# Altium PCB FPGA_Module.PcbDoc (part 5 of 5) (continued)
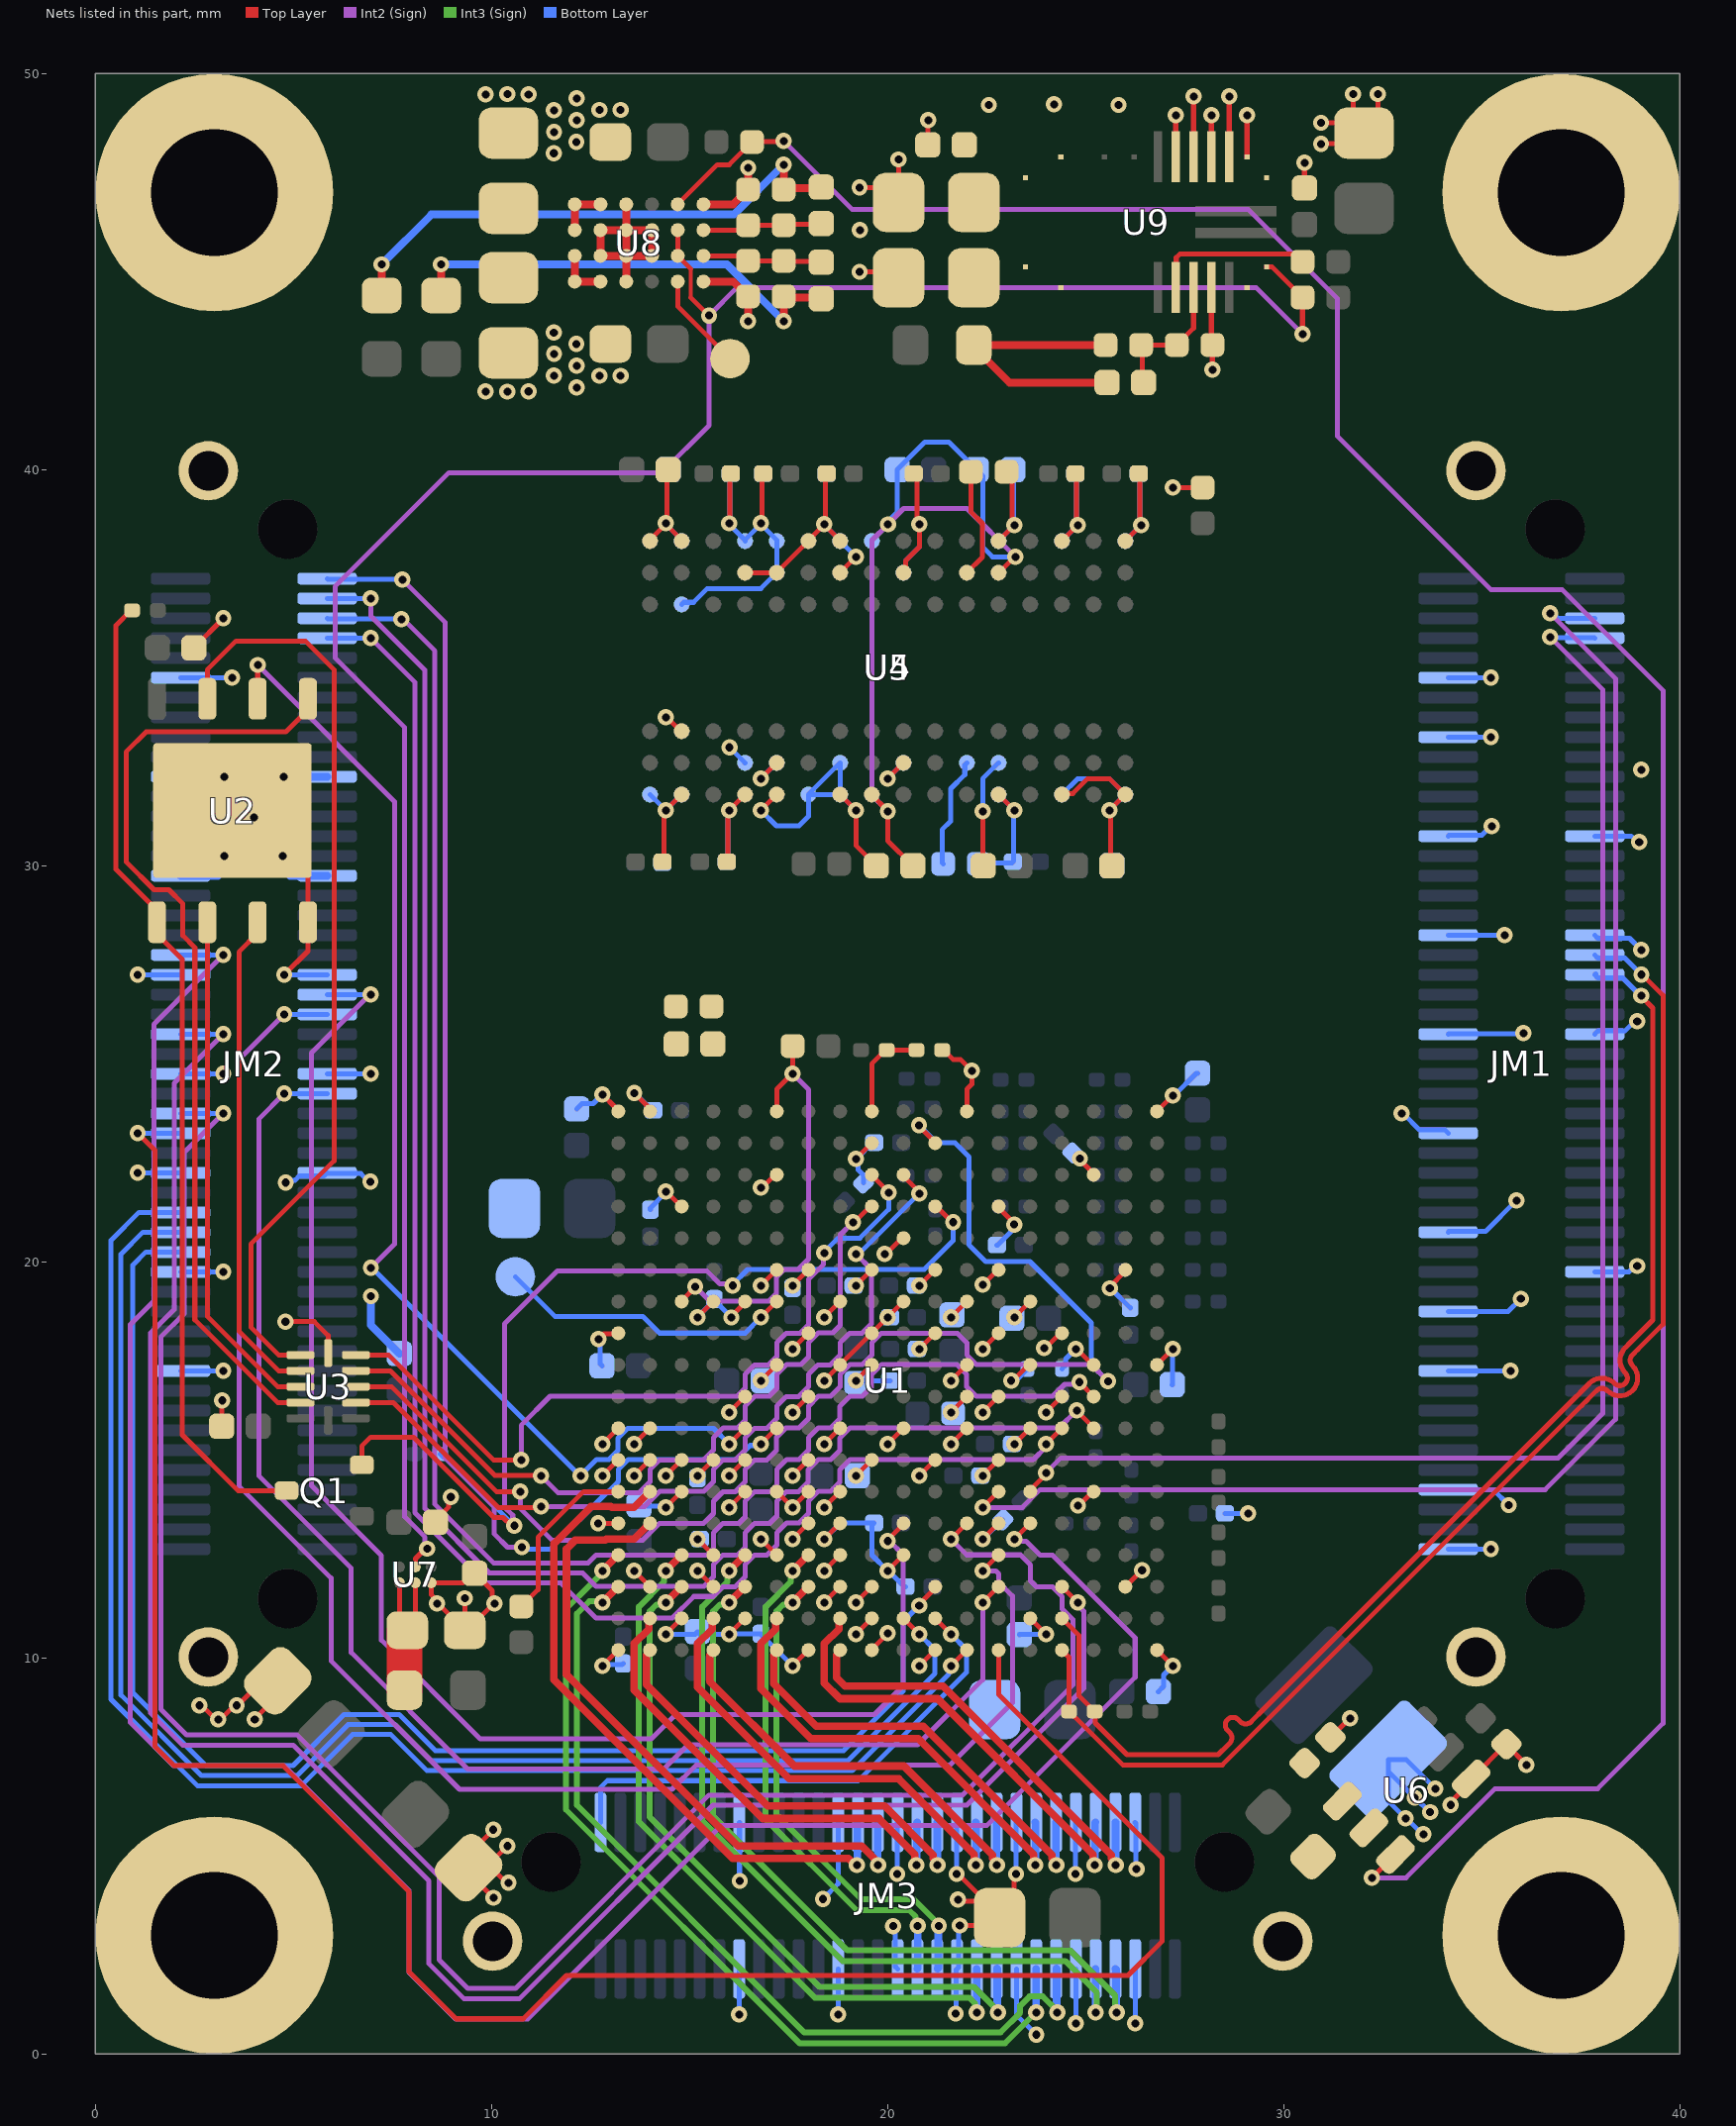
[diagram p9: the nets of this part, all layers, seen from the top]
## Nets (pads, with @x,y where several pads share a name; then routed paths per layer and width w, separated by ;. In a path a pad name is that pad's centre, name@x,y a point inside that pad or via, vN(x,y) a via of type N, cw(c..) or ccw(c..) an arc to the next point about the centre after c; other vN are vias at no path point) (continued)
MGT_RX2_N: JM3.20 U1.C3 | length 18.2
  Top Layer w0.191: v1(14.4,11.4) U1.C3@14.8,11.8
  Int3 (Sign) w0.148: v1(14.4,11.4) 14.351,11.351 14.168,11.351 13.996,11.179 13.996,5.979 18.275,1.7 22.172,1.7 22.783,1.088 v1(22.783,1.05)
  Bottom Layer w0.191: JM3.20@22.758,2.158 22.767,2.15 22.767,1.067 v1(22.783,1.05)
MGT_RX2_P: JM3.22 U1.C4 | length 18.9
  Top Layer w0.191: v1(14.4,12.2) U1.C4@14.8,12.6
  Int3 (Sign) w0.148: v1(14.4,12.2) 14.351,12.151 14.351,11.922 13.721,11.292 13.721,5.865 18.161,1.425 22.058,1.425 22.201,1.282 22.201,1.099 v1(22.25,1.05)
  Bottom Layer w0.191: v1(22.25,1.05) JM3.22@22.25,2.15
MGT_RX3_N: JM3.26 U1.G3 | length 12.6
  Top Layer w0.191: v1(17.6,11.4) U1.G3@18,11.8
  Int3 (Sign) w0.148: v1(17.6,11.4) 17.551,11.351 17.368,11.351 17.196,11.179 17.196,6.043 19.33,3.909 20.658,3.909 21.308,3.258 v1@21.308,3.25
  Bottom Layer w0.191: JM3.26@21.258,2.158 21.279,2.179 21.279,3.221 v1@21.308,3.25
  other v1: 21.291,3.237
MGT_RX3_P: JM3.28 U1.G4 | length 13.3
  Top Layer w0.191: v1(17.6,12.2) U1.G4@18,12.6
  Int3 (Sign) w0.148: v1(17.6,12.2) 17.551,12.151 17.551,11.922 16.921,11.292 16.921,5.929 19.216,3.634 20.544,3.634 20.708,3.469 20.708,3.317 v1@20.775,3.25
  Bottom Layer w0.191: JM3.28@20.75,2.15 20.763,2.162 20.763,3.238 v1@20.775,3.25
  other v1: 20.758,3.237
MGT_TX0_N: JM3.7 U1.H1 | length 10.9
  Top Layer w0.191: U1.H1@18.8,10.2 18.8,10.157 18.715,10.072 18.715,9.5 18.927,9.288 21.393,9.288 25.651,5.03 25.651,4.936 25.758,4.828 v1(25.758,4.77)
  Bottom Layer w0.191: JM3.7@25.75,5.85 25.754,5.846 25.754,4.774 v1(25.758,4.77)
MGT_TX0_P: JM3.9 U1.H2 | length 11.8
  Top Layer w0.191: U1.H2@18.8,11 18.77,10.97 18.77,10.732 18.397,10.359 18.397,9.368 18.795,8.97 21.261,8.97 25.188,5.043 25.188,4.807 v1(25.225,4.77)
  Bottom Layer w0.191: v1(25.225,4.77) 25.237,4.782 25.237,5.837 JM3.9@25.25,5.85
MGT_TX1_N: JM3.13 U1.F1 | length 11.1
  Top Layer w0.191: U1.F1@17.2,10.2 17.2,10.157 17.12,10.077 17.12,9.354 18.195,8.279 20.901,8.279 24.151,5.03 24.151,4.936 24.258,4.828 v1(24.258,4.77)
  Bottom Layer w0.191: v1@24.25,4.778 JM3.13@24.25,5.85
MGT_TX1_P: JM3.15 U1.F2 | length 11.9
  Top Layer w0.191: U1.F2@17.2,11 17.17,10.97 17.17,10.732 16.803,10.365 16.803,9.222 18.063,7.962 18.195,7.962 20.77,7.962 23.688,5.043 23.688,4.807 v1(23.725,4.77)
  Bottom Layer w0.191: v1(23.725,4.77) 23.738,4.782 23.738,5.838 JM3.15@23.725,5.85
MGT_TX2_N: JM3.19 U1.D1 | length 11.2
  Top Layer w0.191: U1.D1@15.6,10.2 15.6,10.157 15.515,10.072 15.515,9.4 17.644,7.271 20.41,7.271 22.651,5.03 22.651,4.936 22.758,4.828 v1(22.758,4.77)
  Bottom Layer w0.191: v1@22.75,4.778 JM3.19@22.75,5.85
MGT_TX2_P: JM3.21 U1.D2 | length 12
  Top Layer w0.191: U1.D2@15.6,11 15.57,10.97 15.57,10.732 15.197,10.359 15.197,9.268 17.513,6.953 19.35,6.953 20.278,6.953 22.188,5.043 22.188,4.807 v1(22.225,4.77)
  Bottom Layer w0.191: v1(22.225,4.77) 22.237,4.782 22.237,5.837 JM3.21@22.225,5.85
MGT_TX3_N: JM3.25 U1.B1 | length 11.3
  Top Layer w0.191: U1.B1@14,10.2 14,10.157 13.915,10.072 13.915,9.325 16.978,6.262 19.918,6.262 21.151,5.03 21.151,4.936 21.258,4.828 v1(21.258,4.77)
  Bottom Layer w0.191: v1@21.25,4.778 21.254,4.782 21.254,5.846 JM3.25@21.25,5.85
MGT_TX3_P: JM3.27 U1.B2 | length 12.2
  Top Layer w0.191: U1.B2@14,11 13.97,10.97 13.97,10.732 13.597,10.359 13.597,9.193 16.846,5.945 18.275,5.945 19.787,5.945 20.688,5.043 20.688,4.807 v1(20.725,4.77)
  Bottom Layer w0.191: v1(20.725,4.77) 20.738,4.782 20.738,5.837 JM3.27@20.75,5.85
NetC64_2: C64.2 FB1.1 U1.J10 | length 1.4
  Top Layer w0.127: v1(19.2,17) U1.J10@19.562,17.362
  Bottom Layer w0.127: FB1.1@19.2,16.95 FB1.1@19.225,16.975 ; v1(19.2,17) C64.2@20.06,17
NetC73_1: C73.1 R46.1 R47.2 U9.17 | length 3.5
  Top Layer w0.127: R46.1@26.398,43.15 26.604,43.15 R47.2@27.298,43.15 27.723,43.575 U9.17@27.723,44.6 ; C73.1@26.46,42.2 26.429,42.231 26.429,42.944 R46.1@26.604,43.119
NetC73_2: C73.2 C74.2 C75.2 C76.2 R46.2 R53.1 U9.9 U9.10 U9.11 U9.12 | length 7.1
  Top Layer w0.2: R46.2@25.498,43.15 R53.1@22.173,43.15 22.173,43.1 23.073,42.2 C73.2@25.54,42.2
NetC78_2: C78.2 R54.1 U6.1 U6.2
NetC81_1: C81.1 R49.1 R50.2 U8.A3 | length 3
  Top Layer w0.127: U8.A3@15.35,45.4 16.35,45.4 R50.2@16.475,45.275 R49.1@17.375,45.275 17.395,45.255 18.305,45.255 C81.1@18.325,45.235
NetC81_2: C81.2 C82.2 R49.2 R55.1 U8.E4 U8.F3 U8.F4 | length 12.9
  Top Layer w0.2: R55.1@8.725,44.4 v1(8.725,45.18) ; U8.F3@12.1,45.4 U8.F4@12.1,44.75 U8.E4@12.75,44.75 ; v1(17.375,43.75) R49.2@17.375,44.375 17.405,44.345 18.295,44.345 C81.2@18.325,44.315
  Bottom Layer w0.2: v1(8.725,45.18) 15.945,45.18 v1(17.375,43.75)
NetC83_2: C83.2 R56.1 U7.A1 U7.B1 | length 4.1
  Top Layer w0.127: U7.A1@7.675,11.9 7.675,10.805 7.805,10.675 7.83,10.7 8.075,10.945 U7.B1@8.075,11.9
  Top Layer w0.9: R56.1@7.805,9.189 C83.2@7.805,10.675 ; C83.2@7.83,10.7 C83.2@7.875,10.7
NetC86_1: C86.1 R51.1 R52.2 U8.A2 | length 3
  Top Layer w0.127: U8.A2@15.35,46.05 16.35,46.05 R52.2@16.475,46.175 R51.1@17.375,46.175 17.395,46.195 18.305,46.195 C86.1@18.325,46.215
NetC86_2: C86.2 C87.2 R51.2 R57.1 U8.E1 U8.F1 U8.F2 | length 14.9
  Top Layer w0.2: R57.1@7.225,44.4 v1(7.225,45.18) ; U8.F2@12.1,46.05 U8.F1@12.1,46.7 U8.E1@12.75,46.7 ; v1(17.375,47.7) R51.2@17.375,47.075 17.405,47.105 18.295,47.105 C86.2@18.325,47.135
  Bottom Layer w0.2: v1(7.225,45.18) 8.485,46.44 16.115,46.44 v1(17.375,47.7)
NetR11_2: R11.2 U1.A6 | length 4.4
  Top Layer w0.127: R11.2@10.75,11.3 11.175,11.725 11.175,13.05 12.325,14.2 U1.A6@13.2,14.2
NetR14_1: R14.1 U1.T10 | length 1.3
  Top Layer w0.127: v1(24.75,17.8) 24.775,17.8 25.175,17.4 U1.T10@25.2,17.4
  Bottom Layer w0.127: R14.1@24.4,17.3 24.493,17.393 24.493,17.543 v1(24.75,17.8)
NetR15_1: R15.1 U1.P10 | length 1.1
  Top Layer w0.127: v1(23.12,17.002) 23.161,17.002 23.521,17.362 U1.P10@23.562,17.362
  Bottom Layer w0.127: v1(23.12,17.002) 23.174,17.056 23.293,17.056 23.525,17.288 R15.1@23.525,17.3
NetR17_1: R17.1 U4.L8 | length 2.8
  Top Layer w0.127: U4.L8@22,37.4 22.39,37.79 22.39,38.647 22.1,38.937 R17.1@22.1,39.95
NetR18_1: R18.1 U5.L8 | length 2.8
  Bottom Layer w0.127: R18.1@21.4,30.05 21.375,30.075 21.375,30.912 21.591,31.128 21.591,31.943 21.948,32.3 21.948,32.548 U5.L8@22,32.6
NetR44_2: R44.2 U9.16 | length 4.1
  Top Layer w0.127: U9.16@27.273,44.6 27.286,44.612 27.286,45.352 27.376,45.443 30.234,45.443 30.427,45.25 R44.2@30.473,45.25
NetTP1_1: TP1.1 U1.F12 | length 7.5
  Top Layer w0.127: v1(16.8,18.6) U1.F12@17.162,18.962
  Bottom Layer w0.127: TP1.1@10.6,19.625 11.6,18.625 13.818,18.625 14.241,18.202 16.402,18.202 v1(16.8,18.6)
NetTP2_1: TP2.1 U8.B4 | length 2.5
  Top Layer w0.127: U8.B4@14.7,44.75 14.7,44.125 TP2.1@16.02,42.805
OSC_OE: JM2.47 U1.N3 | length 37
  Top Layer w0.127: v1(22.4,11.4) U1.N3@22.762,11.762
  Int2 (Sign) w0.127: v1(4.77,24.25) 4.133,23.613 4.133,14.592 6.458,12.267 6.458,10.137 9.404,7.191 14.345,7.191 14.961,7.807 20.757,7.807 22.4,9.45 v1(22.4,11.4)
  Bottom Layer w0.127: v1(4.77,24.25) JM2.47@5.85,24.25
PERST#: JM3.59 U1.L2 | length 13
  Top Layer w0.127: U1.L2@21.238,10.962 v1(21.6,10.6)
  Bottom Layer w0.127: JM3.59@12.75,5.85 12.75,6.725 12.926,6.901 13.949,6.901 19.258,6.901 21.994,9.637 21.994,10.206 v1(21.6,10.6)
PG_1V0: R45.1 U7.B2 U8.B2 U8.B3 U9.20 U9.21 | length 60.2
  Top Layer w0.1: 15.025,44.35 15.025,45.075
  Top Layer w0.127: U7.B2@8.075,12.3 8.078,12.303 8.078,12.51 8.328,12.759 v1(8.376,12.759) ; U8.B2@14.7,46.05 U8.B3@14.7,45.4 15.025,45.075 ; 15.025,44.35 15.484,43.891 v1(15.491,43.891) ; U9.21@29.569,45.125 29.698,45.125 R45.1@30.473,44.35 ; v1(30.475,43.425) R45.1@30.473,44.35
  Int2 (Sign) w0.127: v1(8.376,12.759) 8.322,12.813 8.322,13.05 7.809,13.563 7.809,33.491 6.05,35.25 6.05,37.05 8.925,39.925 14.3,39.925 15.491,41.116 v1(15.491,43.891) 16.2,44.6 29.3,44.6 v1(30.475,43.425)
PG_1V8_1V35: R48.1 U6.3 U8.B1 | length 69.2
  Top Layer w0.127: U8.B1@14.7,46.7 15.7,47.7 16,47.7 R48.1@16.575,48.275 16.588,48.288 17.363,48.288 v1(17.375,48.3) ; v1(32.225,4.45) 32.229,4.45 32.817,5.038 U6.3@32.82,5.038
  Int2 (Sign) w0.127: v1(17.375,48.3) 19.1,46.575 29.1,46.575 31.35,44.325 31.35,40.85 35.225,36.975 37.025,36.975 39.575,34.425 39.575,8.35 37.925,6.7 35.335,6.7 33.085,4.45 v1(32.225,4.45)
PGA_CSn_1: JM2.36 U1.M1 | length 38.4
  Top Layer w0.127: v1(21.6,9.8) U1.M1@21.962,10.162
  Bottom Layer w0.127: JM2.36@2.15,21.25 1.1,21.25 0.392,20.542 0.392,8.958 2.575,6.775 5.2,6.775 6.492,8.067 7.458,8.067 8.37,7.155 19.104,7.155 21.547,9.597 21.547,9.747 v1(21.6,9.8)
PGA_CSn_2: JM2.46 U1.M5 | length 53.6
  Top Layer w0.127: v1(21.6,13) U1.M5@21.962,13.362
  Int2 (Sign) w0.127: v1(3.23,23.75) 2.242,22.762 2.242,18.692 1.65,18.1 1.65,8.709 2.305,8.054 5.096,8.054 8.675,4.475 8.675,2.384 9.405,1.654 10.604,1.654 15.487,6.537 21.895,6.537 24.675,9.317 24.675,10.968 24.406,11.237 24.406,11.55 24.163,11.794 23.837,11.794 23.756,11.794 23.606,11.943 23.606,12.351 23.355,12.602 21.998,12.602 v1(21.6,13)
  Bottom Layer w0.127: JM2.46@2.15,23.75 v1(3.23,23.75)
PGA_CSn_3: JM2.54 U1.R3 | length 52.7
  Top Layer w0.127: U1.R3@24.438,11.762 v1(24.8,11.4)
  Int2 (Sign) w0.127: v1(3.23,25.75) 1.988,24.508 1.988,18.797 1.396,18.205 1.396,8.604 2.2,7.8 4.991,7.8 8.421,4.37 8.421,2.279 9.3,1.4 10.709,1.4 15.592,6.283 22,6.283 24.95,9.233 24.95,11.186 24.8,11.336 v1(24.8,11.4)
  Bottom Layer w0.127: JM2.54@2.15,25.75 v1(3.23,25.75)
PGA_CSn_4: JM2.62 U1.P5 | length 60.3
  Top Layer w0.127: v1(23.2,13) U1.P5@23.562,13.362
  Int2 (Sign) w0.127: v1(3.23,27.75) 1.475,25.995 1.475,19.01 0.883,18.418 0.883,8.367 1.962,7.288 4.762,7.288 7.913,4.137 7.913,2.062 9.087,0.888 10.915,0.888 15.803,5.775 22.509,5.775 26.248,9.513 26.248,10.509 25.454,11.303 24.163,12.594 23.849,12.594 23.497,12.947 23.253,12.947 v1(23.2,13)
  Bottom Layer w0.127: JM2.62@2.15,27.75 v1(3.23,27.75)
PGA_SCLK: JM2.34 U1.K2 | length 37.8
  Top Layer w0.127: U1.K2@20.438,10.962 v1(20.8,10.6)
  Bottom Layer w0.127: JM2.34@2.15,20.75 1.2,20.75 0.646,20.196 0.646,9.063 2.68,7.029 5.095,7.029 6.387,8.321 7.563,8.321 8.475,7.409 18.999,7.409 21.194,9.603 21.194,10.206 v1(20.8,10.6)
PGA_SDIO: JM2.32 U1.L3 | length 36.8
  Top Layer w0.127: v1(20.799,11.319) 20.799,11.359 21.162,11.722 U1.L3@21.162,11.762
  Bottom Layer w0.127: JM2.32@2.15,20.25 1.275,20.25 0.946,19.921 0.946,9.122 2.785,7.283 4.99,7.283 6.281,8.575 7.669,8.575 8.58,7.663 18.894,7.663 20.394,9.163 20.394,10.918 20.794,11.319 v1(20.799,11.319)
PROBE_COMP: JM2.44 U1.N1 | length 56.1
  Top Layer w0.127: v1(1.07,23.25) 1.5,22.82 1.5,7.768 1.99,7.278 4.738,7.278 7.921,4.095 7.921,2.072 9.105,0.888 10.798,0.888 11.892,1.983 26.065,1.983 26.933,2.852 26.933,4.948 22.8,9.082 U1.N1@22.8,10.2
  Bottom Layer w0.127: v1(1.07,23.25) JM2.44@2.15,23.25
PUDC: R58.1 R59.2 U1.J18 | length 2.5
  Top Layer w0.127: U1.J18@19.6,23.8 19.6,25 19.95,25.35 R58.1@19.975,25.35 R59.2@20.725,25.35
SCL: JM2.57 U1.K5 | length 37.9
  Top Layer w0.127: v1(20.001,12.953) 20.001,12.977 20.362,13.339 U1.K5@20.362,13.362
  Int2 (Sign) w0.127: v1(6.95,26.75) 6.93,26.75 5.454,25.274 5.454,14.349 7.22,12.583 7.22,10.452 9.719,7.953 14.029,7.953 14.645,8.569 19.669,8.569 20.394,9.294 20.394,12.606 20.047,12.953 v1(20.001,12.953)
  Bottom Layer w0.127: JM2.57@5.85,26.75 v1(6.95,26.75)
SDA: JM2.55 U1.N4 | length 42.6
  Top Layer w0.127: v1(22.4,12.2) U1.N4@22.762,12.562
  Int2 (Sign) w0.127: v1(4.77,26.25) 3.625,25.105 3.625,14.341 5.95,12.016 5.95,9.926 9.193,6.683 14.555,6.683 15.171,7.299 21.579,7.299 23.15,8.87 23.15,11.566 22.806,11.91 22.806,12.126 22.732,12.2 v1(22.4,12.2)
  Bottom Layer w0.127: v1(4.77,26.25) JM2.55@5.85,26.25
SPI_CLK: U1.E8 U2.6 | length 30.3
  Top Layer w0.127: U2.6@4.095,34.215 4.097,34.218 4.097,35.068 v1(4.1,35.07) ; v1(16,15.4) U1.E8@16.362,15.762
  Int2 (Sign) w0.127: v1(4.1,35.07) 7.555,31.615 7.555,20.449 v1(6.956,19.85)
  Bottom Layer w0.127: v1(6.956,19.85) 6.978,19.85 12.228,14.6 v1(12.25,14.6) ; v1@12.25,14.607 12.65,15.006 12.963,15.006 13.194,15.237 13.194,15.551 13.437,15.794 15.606,15.794 v1(16,15.4)
SPI_CS: Q1.1 R13.1 U2.1 | length 24.9
  Top Layer w0.127: R13.1@0.925,36.45 0.9,36.45 0.521,36.071 0.521,29.909 1.555,28.875 1.555,28.275 2.189,27.641 2.189,15.636 3.6,14.225 Q1.1@4.825,14.225
SPI_CS_1V35: Q1.3 R12.1 U1.L15 | length 26.8
  Top Layer w0.127: Q1.3@6.725,14.875 6.725,15.35 6.95,15.575 8.032,15.575 10.061,13.546 10.294,13.546 10.499,13.341 v1(10.575,13.341) ; U1.L15@21.2,21.4 21.229,21.4 21.628,21.001 v1(21.657,21.001)
  Int2 (Sign) w0.127: v1(10.575,13.341) 10.536,13.38 10.536,13.605 10.331,13.809 10.331,18.438 11.667,19.774 15.435,19.774 15.764,19.446 16.021,19.446 v1@16.074,19.392
  Bottom Layer w0.127: R12.1@8.7,15.15 8.784,15.066 8.85,15.066 v1(10.575,13.341) ; v1@16.074,19.392 16.074,19.411 16.469,19.806 20.924,19.806 21.657,20.539 v1(21.657,21.001)
  other v1: 16.088,19.401
SPI_DQ0: U2.5 U3.10 | length 24.1
  Top Layer w0.127: U3.10@5.175,16.45 4.6,16.45 2.511,18.539 2.511,27.936 2.209,28.237 2.209,29.041 1.854,29.396 1.479,29.396 0.775,30.1 0.775,32.875 1.278,33.378 4.802,33.378 5.365,33.942 U2.5@5.365,34.215
SPI_DQ0_1V35: U1.K16 U3.2 | length 21.8
  Top Layer w0.127: U3.2@6.575,16.45 7.516,16.45 10.166,13.8 11.225,13.8 v1(11.25,13.825) ; U1.K16@20.4,22.2 20.4,22.163 20.8,21.763 v1(20.8,21.725)
  Int2 (Sign) w0.127: v1(11.25,13.825) 13.868,13.825 14.25,14.206 15.363,14.206 15.606,14.45 15.606,14.763 15.837,14.994 16.15,14.994 16.406,15.25 16.406,15.563 16.637,15.794 16.95,15.794 17.206,16.05 17.206,16.363 17.437,16.594 17.75,16.594 18.006,16.85 18.006,17.163 18.237,17.394 18.55,17.394 18.806,17.65 18.806,17.963 19.037,18.194 19.35,18.194 19.594,18.437 19.594,19.806 v1(19.2,20.2)
  Bottom Layer w0.127: v1(19.2,20.2) 19.275,20.2 v1(20.8,21.725)
SPI_DQ1: U2.2 U3.9 | length 13
  Top Layer w0.127: U2.2@2.825,28.575 2.825,18.625 4.6,16.85 U3.9@5.175,16.85
SPI_DQ1_1V35: U1.L17 U3.3 | length 34.8
  Top Layer w0.127: U3.3@6.575,16.85 7.475,16.85 10.125,14.2 v1(10.725,14.2) ; v1(20.794,23.449) 20.794,23.428 21.2,23.021 U1.L17@21.2,23
  Int2 (Sign) w0.127: v1(10.725,14.2) 10.725,13.775 11.525,12.975 13.818,12.975 14.237,13.394 15.35,13.394 15.602,13.645 15.602,13.958 15.84,14.197 16.154,14.197 16.4,14.443 16.4,14.757 16.637,14.994 16.95,14.994 17.194,15.237 17.194,15.569 17.431,15.806 17.763,15.806 18.002,16.045 18.002,16.358 18.25,16.606 18.563,16.606 18.8,16.843 18.8,17.157 19.049,17.406 19.363,17.406 19.6,17.643 19.6,17.957 19.837,18.194 21.763,18.194 22,17.957 22,17.643 22.237,17.406 25.144,17.406 v1(25.563,16.987)
  Bottom Layer w0.127: v1(20.794,23.449) 21.237,23.006 21.7,23.006 22.056,22.65 22.056,20.429 22.474,20.011 23.589,20.011 25.144,18.456 25.144,17.406 v1(25.563,16.987)
SPI_DQ2: U2.3 U3.8 | length 12.5
  Top Layer w0.127: U2.3@4.095,28.575 4.095,28.295 3.625,27.825 3.625,18.25 4.625,17.25 U3.8@5.175,17.25
SPI_DQ2_1V35: U1.J15 U3.4 | length 19.6
  Top Layer w0.127: U3.4@6.575,17.25 7.441,17.25 10.084,14.606 11.244,14.606 v1(11.25,14.6) ; v1(19.125,21) 19.163,21 19.525,21.362 U1.J15@19.562,21.362
  Int2 (Sign) w0.127: v1(11.25,14.6) 11.675,14.175 13.732,14.175 14,14.443 14,14.757 14.237,14.994 15.35,14.994 15.6,15.243 15.6,15.557 15.85,15.806 16.216,15.806 16.406,15.997 16.406,16.363 16.65,16.606 17.011,16.606 17.206,16.801 17.206,17.163 17.45,17.406 17.811,17.406 18.006,17.601 18.006,17.963 18.25,18.206 18.616,18.206 18.806,18.397 18.806,20.681 v1(19.125,21)
SPI_DQ3: U2.7 U3.7 | length 23.5
  Top Layer w0.127: U2.7@2.825,34.215 2.825,34.95 3.55,35.675 5.3,35.675 6.025,34.95 6.025,22.55 3.925,20.45 3.925,18.35 4.625,17.65 U3.7@5.175,17.65
SPI_DQ3_1V35: U1.J16 U3.5 | length 20
  Top Layer w0.127: U3.5@6.575,17.65 7.4,17.65 10.05,15 v1(10.75,15) ; U1.J16@19.6,22.2 19.6,22.187 20.025,21.763 v1(20.025,21.75)
  Int2 (Sign) w0.127: v1(10.75,15) 10.75,15.875 11.481,16.606 16.206,16.606 16.406,16.806 16.406,17.163 16.637,17.394 16.994,17.394 17.206,17.606 17.206,17.963 17.437,18.194 17.794,18.194 18.006,18.406 18.006,19.563 18.383,19.94 18.383,20.208 v1(18.4,20.225)
  Bottom Layer w0.127: v1(18.4,20.225) 18.4,20.25 18.75,20.6 19.3,20.6 20.025,21.325 v1(20.025,21.75)
TCK: JM2.99 U1.F8 | length 35.6
  Top Layer w0.127: v1(16.8,15.4) U1.F8@17.162,15.762
  Int2 (Sign) w0.127: v1(7.75,37.225) 8.825,36.15 8.825,15.05 10.071,13.804 10.071,13.129 10.402,12.798 v1(10.766,12.798)
  Bottom Layer w0.127: JM2.99@5.85,37.25 5.863,37.238 7.737,37.238 v1(7.75,37.225) ; v1(10.766,12.798) 10.814,12.75 11.488,12.75 12.944,14.206 12.963,14.206 13.194,14.437 13.194,14.456 13.206,14.468 13.206,14.763 13.45,15.006 16.174,15.006 16.533,15.365 16.765,15.365 v1(16.8,15.4)
TDI: JM2.95 U1.T9 | length 46
  Top Layer w0.127: v1(24.84,16.964) 24.84,16.962 U1.T9@25.2,16.6 U1.T9@25.2,16.6
  Int2 (Sign) w0.127: v1(7.725,36.225) 7.77,36.225 8.571,35.424 8.571,13.879 10.05,12.4 12.443,12.4 12.637,12.594 15.444,12.594 15.606,12.756 15.606,13.163 15.837,13.394 16.244,13.394 16.406,13.556 16.406,13.963 16.637,14.194 17.044,14.194 17.206,14.356 17.206,14.763 17.45,15.006 17.763,15.006 18,15.243 18,15.557 18.25,15.806 18.563,15.806 18.794,16.037 18.794,16.351 19.05,16.606 19.363,16.606 19.594,16.837 19.594,17.151 19.85,17.406 21.75,17.406 21.994,17.163 21.994,16.85 22.237,16.606 24.163,16.606 24.467,16.911 24.786,16.911 v1(24.84,16.964)
  Bottom Layer w0.127: JM2.95@5.85,36.25 5.863,36.238 7.712,36.238 v1(7.725,36.225)
TDO: JM2.97 U1.T8 | length 45.4
  Top Layer w0.127: v1(24.775,16.25) 24.775,16.238 25.2,15.813 U1.T8@25.2,15.8
  Int2 (Sign) w0.127: v1(6.95,36.75) 6.95,36.307 7.113,36.144 8.317,34.94 8.317,13.774 9.945,12.146 12.297,12.146 12.637,11.806 15.363,11.806 15.606,12.05 15.606,12.363 15.837,12.594 16.219,12.594 16.406,12.781 16.406,13.163 16.637,13.394 17.019,13.394 17.206,13.581 17.206,13.963 17.443,14.2 17.757,14.2 17.994,14.437 17.994,14.751 18.25,15.006 18.563,15.006 18.794,15.237 18.794,15.551 19.05,15.806 24.331,15.806 v1(24.775,16.25)
  Bottom Layer w0.127: JM2.97@5.85,36.75 v1(6.95,36.75)
TMS: JM2.93 U1.R8 | length 43.8
  Top Layer w0.127: v1(24,15.4) U1.R8@24.362,15.762
  Int2 (Sign) w0.127: v1(6.95,35.75) 8.063,34.637 8.063,13.669 9.84,11.892 11.751,11.892 12.637,11.006 14.563,11.006 15.109,11.552 15.596,11.552 15.837,11.794 16.15,11.794 16.406,12.05 16.406,12.363 16.637,12.594 16.95,12.594 17.2,12.843 17.2,13.157 17.45,13.406 17.763,13.406 18,13.643 18,13.957 18.25,14.206 18.563,14.206 18.794,14.437 18.794,14.751 19.05,15.006 21.366,15.006 23.682,15.006 24,15.324 v1(24,15.4)
  Bottom Layer w0.127: JM2.93@5.85,35.75 v1(6.95,35.75)
VTTREF: C4.2 C5.1 C16.2 C17.1 C28.2 R27.1 R35.2 U1.C12 U1.F18 U4.H1 U4.M8 U5.H1 U5.M8 | length 35.5
  Top Layer w0.127: U1.C12@14.838,19.038 14.838,19.054 15.142,19.358 v1(15.142,19.375) ; U1.F18@17.2,23.8 17.2,24.357 17.593,24.75 v1(17.6,24.75) R27.1@17.6,25.45 ; U4.H1@19.6,31.8 19.6,31.791 20.006,31.384 v1(20.006,31.375) 20.006,30.629 C16.2@20.635,30 ; v1(22.4,31.375) 22.408,31.367 22.408,30.008 C17.1@22.415,30 ; U4.M8@22.8,37.4 22.813,37.4 23.213,37.8 v1(23.225,37.8)
  Int2 (Sign) w0.127: v1(15.142,19.375) 15.51,19.006 17.001,19.006 17.194,19.199 17.194,19.619 17.384,19.809 17.741,19.809 18.003,20.071 18.003,24.347 17.994,24.356 17.994,24.363 17.607,24.75 v1(17.6,24.75) ; v1(20.006,31.375) 19.606,31.775 19.606,35.187 19.606,38.219 v1(20.008,38.621) 20.406,39.019 22.006,39.019 v1(23.225,37.8)
  Bottom Layer w0.127: U5.H1@19.6,38.2 19.6,38.207 20.008,38.615 v1(20.008,38.621) 20.008,38.697 20.24,38.929 C5.1@20.24,40 20.94,40.7 21.54,40.7 22.409,39.83 22.409,38.038 22.648,37.8 v1(23.225,37.8) ; v1(22.4,31.375) 22.4,32.2 U5.M8@22.8,32.6
pads on no net: JM1. JM1.4 JM1.6 JM1.7 JM1.9 JM1.10 JM1.11 JM1.12 JM1.14 JM1.16 JM1.17 JM1.18 JM1.19 JM1.21 JM1.22 JM1.23 JM1.24 JM1.25 JM1.27 JM1.28 JM1.30 JM1.31 JM1.32 JM1.33 JM1.35 JM1.36 JM1.37 JM1.38 JM1.39 JM1.40 JM1.41 JM1.42 JM1.43 JM1.45 JM1.46 JM1.47 JM1.48 JM1.49 JM1.50 JM1.51 JM1.52 JM1.55 JM1.57 JM1.65 JM1.67 JM1.69 JM1.71 JM1.76 JM1.78 JM1.79 JM1.81 JM1.83 JM1.85 JM1.87 JM1.89 JM1.91 JM1.92 JM1.97 JM1.99 JM2. JM2.1 JM2.2 JM2.4 JM2.5 JM2.6 JM2.7 JM2.8 JM2.9 JM2.10 JM2.11 JM2.12 JM2.13 JM2.14 JM2.15 JM2.16 JM2.17 JM2.18 JM2.19 JM2.21 JM2.22 JM2.23 JM2.24 JM2.25 JM2.26 JM2.27 JM2.28 JM2.29 JM2.31 JM2.33 JM2.35 JM2.37 JM2.68 JM2.71 JM2.72 JM2.73 JM2.74 JM2.75 JM2.76 JM2.77 JM2.78 JM2.81 JM2.82 JM2.83 JM2.84 JM2.85 JM2.86 JM2.87 JM2.88 JM2.89 JM2.92 JM2.94 JM2.96 JM2.98 JM2.100 JM3. JM3.1 JM3.2 JM3.3 JM3.4 JM3.32 JM3.34 JM3.37 JM3.38 JM3.39 JM3.40 JM3.41 JM3.42 JM3.43 JM3.44 JM3.47 JM3.48 JM3.49 JM3.50 JM3.51 JM3.52 JM3.53 JM3.54 JM3.55 JM3.56 JM3.57 JM3.58 JM3.60 U1.D5 U1.D6 U1.D10 U1.E13 U1.E15 U1.H14 U1.J14 U1.L14 U1.M14 U1.N14 U1.N16 U1.P14 U1.P15 U1.P16 U1.P18 U1.R13 U1.R15 U1.R16 U1.R17 U1.U10 U1.U12 U1.U14 U1.U15 U1.U16 U1.U17 U4.J1 U4.J9 U4.L1 U4.L9 U4.M7 U4.T3 U4.T7 U5.J1 U5.J9 U5.L1 U5.L9 U5.M7 U5.T3 U5.T7 U9.6 U9.7 U9.8 U9.13 U9.14 U9.15 U9.19 U9.23

## Polygon pours and split planes (outlines as drawn)
1V35 on Int3 (Sign) "GND_L01" (solid, remove dead copper, pour order 1): 7.975,42.25 9.475,42.25 9.475,41.25 27.5,41.25 27.5,15.85 25.45,15.85 24.65,16.437 24.65,18.718 22.904,20.464 17.052,20.464 14.825,18.238 14.825,16.975 14.025,16.175 10,16.175 7.55,13.725 6.9,13.725 5.825,14.8 5.825,32 7.975,34.15
+3V3_IN on Int3 (Sign) "GND_L01" (solid, remove dead copper, pour order 7): 33.325,6.55 39.7,6.55 39.7,49.7 6.625,49.7 6.625,40.425 33.325,40.425
1V0 on Int3 (Sign) "GND_L01" (solid, remove dead copper, pour order 4): 18.875,41.25 27.5,41.25 27.5,15.85 25.175,15.85 24.4,16.625 23.475,16.625 23.48,16.63 23.48,17.987 22.567,18.9 18.7,18.9 17.875,18.075 16.525,18.075 16.525,14.1 17.425,14.1 17.425,0.3 33.325,0.3 33.325,40.425 30,43.75 18.875,43.75
1V8 on Int3 (Sign) "GND_L01" (solid, remove dead copper, pour order 0): 7.975,34.15 5.825,32 5.825,14.8 6.9,13.725 7.55,13.725 10,16.175 14.025,16.175 15.2,17.35 15.2,18.613 17.052,20.464 22.904,20.464 24.65,18.718 24.65,16.625 23.475,16.625 23.475,17.925 22.5,18.9 18.7,18.9 17.875,18.075 16.675,18.075 16.525,17.925 16.525,14.075 13.875,14.075 11.3,11.5 11.3,5.55 16.55,0.3 0.3,0.3 0.3,43.375 7.975,43.375
+3V3 on Int3 (Sign) "GND_L01" (solid, remove dead copper, pour order 3): 28.65,5.875 30,7.225 30,14.3 23.525,14.3 23.525,14.925 22.875,14.925 22.875,14.075 20.225,14.075 20.225,9.475 23.825,5.875
1V0_MGT on Int3 (Sign) "GND_L01" (solid, remove dead copper, pour order 5): 12.225,12.425 17.425,12.425 17.425,14.1 17.4,14.075 13.875,14.075
1V2_MGT on Int2 (Sign) "1V2_MGT_L03_P006" (solid, remove dead copper, pour order 6): 10,12.581 16.624,12.581 17.45,13.406 17.699,13.157 18,13.157 18,9.575 17.756,9.331 14.33,9.331 13.714,8.715 10,8.715
AGND on Int2 (Sign) "GND_L01" (solid, remove dead copper, pour order 8): 21.2,17.406 21.2,15.806 18.794,15.806 18.794,17.406
GND on Bottom Layer "GND_L01" (solid, remove dead copper, pour order 36): 20.075,4.543 20.075,9.075 21.9,10.9 27.625,10.9 27.625,4.524
GND on Bottom Layer "GND_L01" (solid, remove dead copper, pour order 35): 7.325,27.425 5.125,27.425 5.125,20.6 11.2,20.6 11.225,20.575 11.225,23.525 12.45,23.525 13.025,24.1 13.025,24.475 10.275,24.475
GND on Bottom Layer "GND_L01" (solid, remove dead copper, pour order 34): 32.298,9.827 30.25,7.778 30.25,7.775 33.325,4.7 35.375,6.75
1V0 on Bottom Layer "1V0_L01" (solid, remove dead copper, pour order 33): 31.68,11.945 33.55,10.075 30.75,7.275 28.88,9.145
+3V3_IN on Top Layer "+3V3_IN_L01" (solid, remove dead copper, pour order 32): 32.575,8.175 33.813,9.412 34.7,8.525 35.962,9.787 36.7,9.05 34.2,6.55
GND on Top Layer "GND_L01" (solid, remove dead copper, pour order 31): 30.7,8.025 34.037,4.687 36.688,7.338 35.575,8.45 33.937,6.812 31.712,9.037
NetC78_2 on Top Layer "NetC78_2_L01" (solid, remove dead copper, pour order 30): 29.85,7.175 30.625,7.95 32.725,5.85 30.75,3.875 29.387,5.237 30.587,6.437
+3V3 on Top Layer "+3V3_L01" (solid, remove dead copper, pour order 29): 29.226,7.801 28.025,6.6 29.387,5.237 30.587,6.437
GND on Top Layer "GND_L01" (solid, remove dead copper, pour order 28): 23.476,4.75 21.525,4.75 21.525,2.237 23.474,2.237
1V0 on Top Layer "1V0_L01" (solid, remove dead copper, pour order 27): 24.075,4.201 26.679,4.201 26.679,2.957 25.959,2.237 24.076,2.237
1V35 on Top Layer "1V35_L01" (solid, remove dead copper, pour order 23): 7.175,15.575 7.175,13.101 8,13.101 8,15.575
GND on Top Layer "GND_L01" (solid, remove dead copper, pour order 26): 10.625,2.85 10.625,5.5 9.888,6.237 8.317,4.667 10.135,2.85
GND on Top Layer "GND_L01" (solid, remove dead copper, pour order 25): 2.35,10.375 5.025,10.375 5.875,9.525 4.475,8.125 2.35,8.125
1V8 on Top Layer "1V8_L01" (solid, remove dead copper, pour order 24): 4.904,7.979 6.062,9.137 9.088,6.112 7.98,5.005
GND on Top Layer "GND_L01" (solid, remove dead copper, pour order 22): 15.1,26.75 15.1,24.475 13.875,24.475 13.875,24 12.6,24 12.6,24.75 13.75,24.75 13.75,26.75
VTTREF on Top Layer "VTTREF_L01" (solid, remove dead copper, pour order 21): 15.25,25.1 15.25,26.75 17.385,26.75 20.3,29.665 20.3,30.325 22.75,30.325 22.75,29.2 21.126,29.2 17.752,25.826 17.752,25.102 17.75,25.1
+3V3_IN on Top Layer "+3V3_IN_L01" (solid, remove dead copper, pour order 20): 30.025,47.25 37,47.25 37,43.025 30.925,43.025 30.925,45.7 30.025,45.7
GND on Top Layer "GND_L01" (solid, remove dead copper, pour order 19): 8.55,11.96 10.275,11.96 10.275,10.125 8.55,10.125
1V2_MGT on Top Layer "1V2_MGT_L01" (solid, remove dead copper, pour order 18): 8.95,9.9 8.95,8.675 11,8.675 11,9.9
GND on Top Layer "GND_L01" (solid, remove dead copper, pour order 17): 21.375,43.75 18.875,43.75 18.875,49.7 37,49.7 37,47.25 27.175,47.25 27.175,48.7 21.375,48.7
NetC73_2 on Top Layer "NetC73_2_L01" (solid, remove dead copper, pour order 16): 24.925,48.55 21.525,48.55 21.525,41.375 24.925,41.375
1V0 on Top Layer "1v0_L01" (solid, remove dead copper, pour order 15): 21.375,43.75 18.875,43.75 18.875,41.375 21.375,41.375
GND on Top Layer "GND_L01" (solid, remove dead copper, pour order 13): 9.625,49.7 13.65,49.7 13.65,41.375 9.625,41.375
+3V3_IN on Top Layer "+3V3_IN_L01" (solid, remove dead copper, pour order 14): 13.65,49.7 15.1,49.7 15.1,41.375 13.65,41.375
NetC81_2 on Top Layer "NetC81_2_L01" (solid, remove dead copper, pour order 9): 9.325,43.85 8.1,43.85 8.1,45.7 13,45.7 13,44.125 9.325,44.125
1V8 on Top Layer "1V8_L01" (solid, remove dead copper, pour order 11): 7.8,43.375 7.8,41.55 5.925,41.55 5.925,43.375
NetC86_2 on Top Layer "NetC86_2_L01" (solid, remove dead copper, pour order 10): 6.625,43.85 6.625,47.375 13,47.375 13,45.85 7.825,45.85 7.825,43.85
1V35 on Top Layer "1V35_L01" (solid, remove dead copper, pour order 12): 8.1,43.365 8.1,40.365 9.475,40.365 9.475,43.365
GND on Int1 (GND) "GND_L01" (solid, remove dead copper, pour order 37): 0.3,49.7 39.7,49.7 39.7,0.3 0.3,0.3
GND on Int4 (GND) "GND_L01" (solid, remove dead copper, pour order 38): 0.3,49.7 39.7,49.7 39.7,0.3 0.3,0.3

## Keep-outs
Top Layer:
  circle w0.254: c37,3 r3.425
  circle w0.254: c37,47 r3.425
Int3 (Sign):
  circle w0.254: c3,3 r3.425
  circle w0.254: c37,47 r3.425
  lines w0.1: 17.6,9.8 17.6,6.395 19.845,4.15 20.922,4.15 21.825,3.247 21.825,2.722 ; 26.25,0.25 26.25,0.775

## Silkscreen, mask and mechanical layers (free items; w line width, h text height)
Top Overlay:
  text "FPGA Module Rev 1 / Aleksa Bjelogrlic" at 39.702,33.3 h1.2 r90
Mechanical 1:
  the board outline again, w0.1

## Text inside footprints (layer, text, board x,y; h text height)
JM1: Bottom Overlay "2" at 32.8,13.03 h1.5 r90; Bottom Overlay "1" at 40.025,13.033 h1.5 r90
JM2: Bottom Overlay "1" at 8.025,13.033 h1.5 r90; Bottom Overlay "2" at 0.8,13.03 h1.5 r90
JM3: Bottom Overlay "1" at 26.967,8.025 h1.5 r180; Bottom Overlay "2" at 26.97,0.8 h1.5 r180